# Altium PCB LAN_Controller20211202.PcbDoc
Units mil, origin at the board's own origin, x right, y up, seen from the top; angles counter-clockwise.
Board outline 2874.02 x 1200.79 mil, 2 copper layers (Top Layer, Bottom Layer); 21 components, 21 nets, 101 pads, 43 vias.
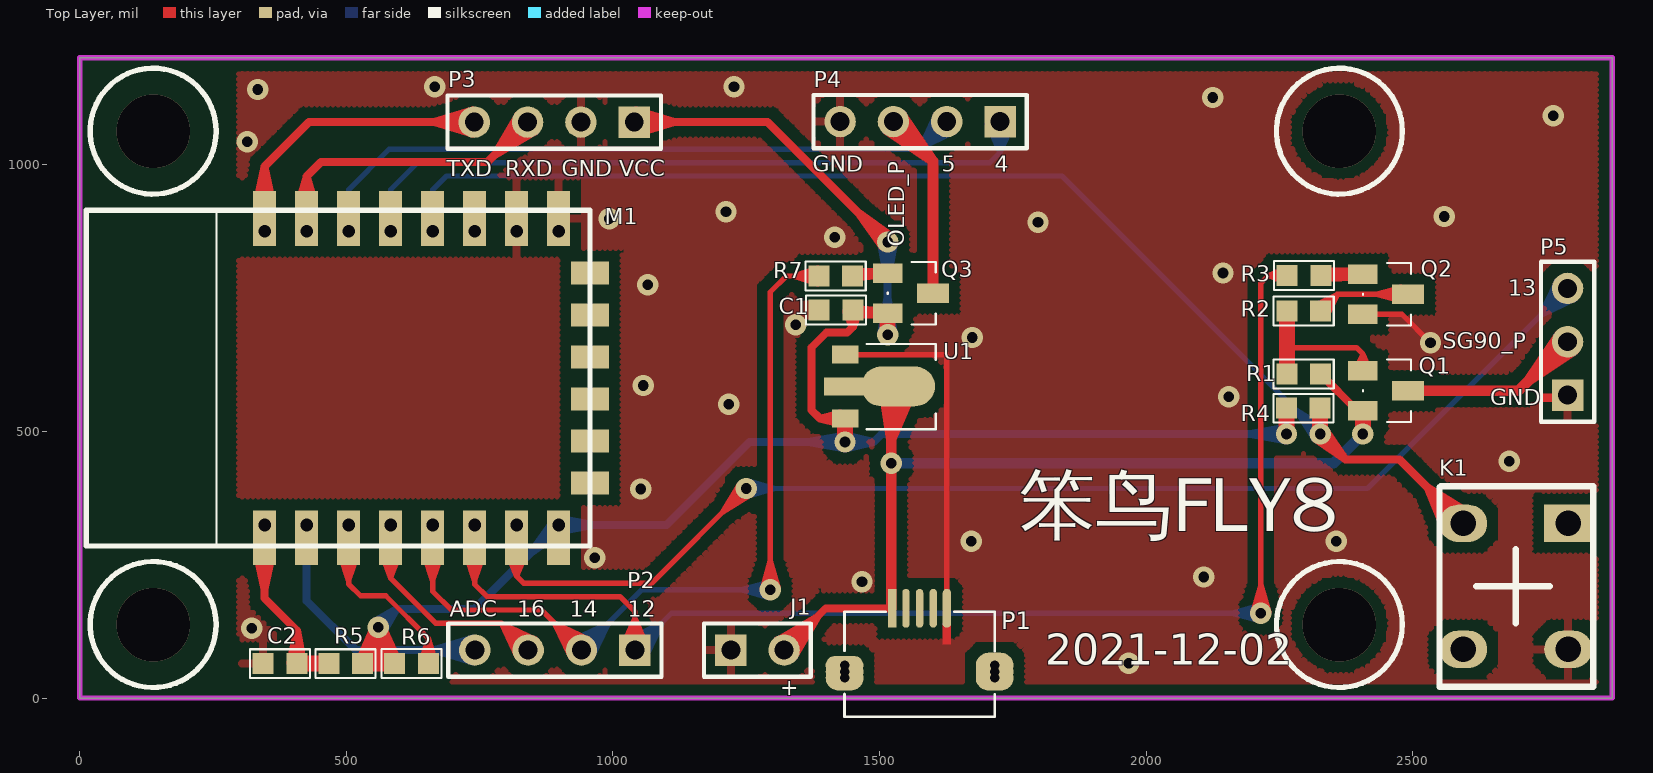
[diagram p0: Top Layer view]
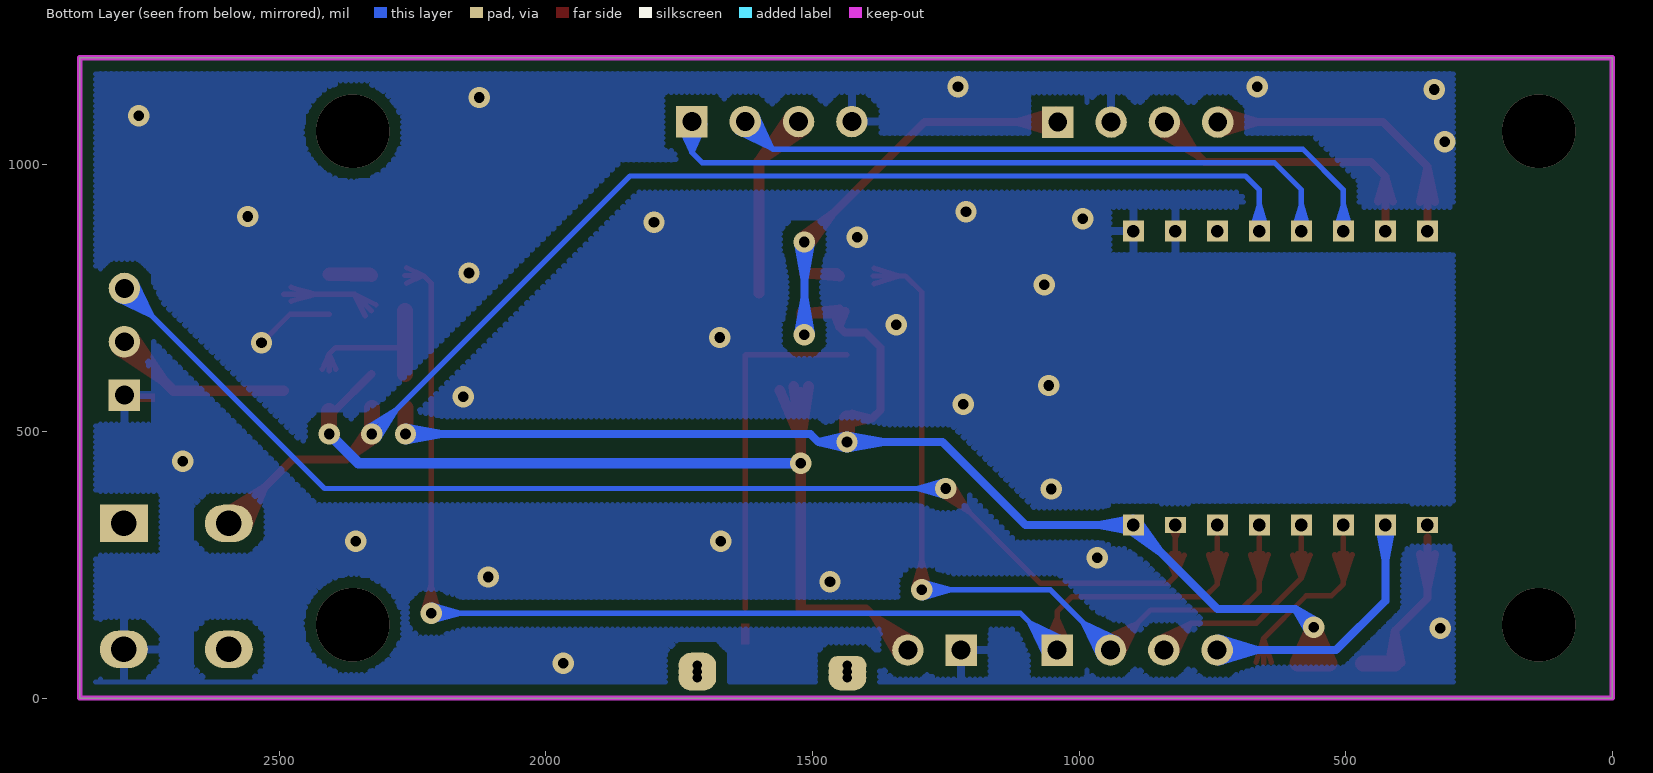
[diagram p1: Bottom Layer view, seen from below]

## Layer stack, top to bottom
Top Layer: signal copper 1.4
Dielectric: dielectric 12.6, FR-4, Dk 4.8
Bottom Layer: signal copper 1.4

## Board outline
0,0 2874.02,0 2874.02,1200.79 0,1200.79

## Design rules (kind name [scope] priority, off if disabled: settings)
Clearance Clearance_1 [InPolygon] p1: gap=20
Clearance [All] p2: gap=10
PolygonConnect [IsVia] p1: connectstyle=Direct reliefconductorwidth=15 reliefentries=4 polygonreliefangle="90 Angle"
PolygonConnect PolygonConnect_1 [All] p2: connectstyle=Relief reliefconductorwidth=15 reliefentries=4 polygonreliefangle="90 Angle"
RoutingVias [All] p1: holewidth=20 width=40 viastyle="Through Hole" minholewidth=20 minwidth=40 maxholewidth=30 maxwidth=60
SilkToSilkClearance [All] p1: silktosilkclearance=1
SilkscreenOverComponentPads [All] p1: minsilkscreentomaskgap=0
SolderMaskExpansion [All] p1: expansion=4
TestPointUsage [All] p1: valid=0 allowmultiple=FALSE
Testpoint [All] p1: side=15 testpointundercomponent=TRUE minsize=40 maxsize=100 preferedsize=60 minholesize=0 maxholesize=40 preferedholesize=32 testpointgrid=1 style=1023 order=0-112345678
Width [All] p1: maxlimit=50 minlimit=10 preferedwidth=10
22 further rules are at their usual default settings.

## Components (designator, comment, footprint, x,y, rotation, side; value= is the part's Value field where it differs from the comment)
C1 "100nF" 0603-3 1387,728 r90 top
C2 "100nF" 0603-3 407,64 r270 top
J1 "CON2" HDR1X2 1221,90 r0 top
K1 "" DIP4-KEY 2552,397 r270 top (schematic designator k1)
M1 "ESP-12E/F" "ESP-12E&F Module" 652,600 r90 top
P1 "Header 5" MICRO-5P-1.3 1434,50 r90 top
P2 "OLED" HDR1X4 1041,90 r180 top
P3 "UART" HDR1X4 1040,1080 r180 top
P4 "OLED" HDR1X4 1726,1081 r180 top
P5 "SG90" HDR1X3 2790,568 r90 top
Q1 "8550" SOT-PNP 2407,616 r270 top
Q2 "8050" Q-SOT23 2437,757 r270 top
Q3 "8550" SOT-PNP 1516,799 r270 top
R1 "100K" 0603-3 2264,608 r90 top
R2 "1K" 0603-3 2264,726 r90 top
R3 "1K" 0603-3 2327,792 r270 top
R4 "10K" 0603-3 2326,543 r270 top
R5 "10K" 0603-3 530,64 r270 top
R6 "10K" 0603-3 591,65 r90 top
R7 "1K" 0603-3 1449,791 r270 top
U1 "A6501-33" SOT-89.1 1435,643 r270 top

## Footprints (in the part's own frame and the unit in brackets; to place one, negate y for a bottom-side part, rotate by r counter-clockwise, add the part's x,y. Pads: shape width x height; smd on the part's side, far side on the other; paste and mask are expansions set on the pad)
0603-3 [mm]
  rect 1x1 smd: 1(-0.01,0.007) 2(-0.01,-1.596)
  silkscreen extent -0.7,-2.23 0.68,0.64
DIP4-KEY [mil]
  rect 70x90 hole 47.24: 1(69.38,239.28)
  oval 70x90 hole 47.24: 2(69.38,42.42) 3(305.6,42.42) 4(305.6,239.28)
  silkscreen extent 0,-2 376,286
"ESP-12E&F Module" [mm]
  rect 2.6x1.1 smd: 1(-7.6,7.75) 2(-7.6,5.75) 3(-7.6,3.75) 4(-7.6,1.75) 5(-7.6,-0.25) 6(-7.6,-2.25) 7(-7.6,-4.25) 8(-7.6,-6.25) 15(7.6,-6.25) 16(7.6,-4.25) 17(7.6,-2.25) 18(7.6,-0.25) 19(7.6,1.75) 20(7.6,3.75) 21(7.6,5.75) 22(7.6,7.75)
  rect 0.762x1 hole 0.6: 1(-7,7.75) 7(-7,-4.25)
  rect 0.762x1 / inner rect 0.762x1 / far side rect 1x1 hole 0.6: 2(-7,5.75) 3(-7,3.75) 4(-7,1.75) 5(-7,-0.25) 6(-7,-2.25) 8(-7,-6.25) 15(7,-6.25) 16(7,-4.25) 17(7,-2.25) 18(7,-0.25) 19(7,1.75) 20(7,3.75) 21(7,5.75) 22(7,7.75)
  rect 1.1x1.8 smd: 9(-5,-7.75) 10(-3,-7.75) 11(-1,-7.75) 12(1,-7.75) 13(3,-7.75) 14(5,-7.75)
  silkscreen extent -8,-7.75 8,16.25
HDR1X2 [mm] "Connector; Header; 2 Position"
  rect 1.5x1.5 hole 0.9: 1(0,0)
  round 1.5 hole 0.9: 2(2.54,0)
  silkscreen extent -1.27,-1.27 3.81,1.27
HDR1X3 [mm] "Connector; Header; 3 Position"
  rect 1.5x1.5 hole 0.9: 1(0,0)
  round 1.5 hole 0.9: 2(2.54,0) 3(5.08,0)
  silkscreen extent -1.27,-1.27 6.35,1.27
HDR1X4 [mm] "Connector; Header; 4 Position"
  rect 1.5x1.5 hole 0.9: 1(0,0)
  round 1.5 hole 0.9: 2(2.54,0) 3(5.08,0) 4(7.62,0)
  silkscreen extent -1.27,-1.27 8.89,1.27
MICRO-5P-1.3 [mm]
  oval 1.2x1.8 hole 0.45: 0(-0.313,-7.157) 0(-0.313,-0.007) 0(-0.013,-0.007) 0(-0.013,-7.157) 0(0.287,-7.157)
  oval 0.889x1.8 hole 0.45: 0(0.287,-0.007)
  rect 1.85x0.4 smd: 1(3.002,-2.282)
  oval 1.85x0.35 smd: 2(3.002,-2.932) 3(3.002,-3.582) 4(3.002,-4.232)
  oval 1.85x0.4 smd: 5(3.002,-4.882)
  silkscreen extent -2.16,-7.16 2.84,-0.01
Q-SOT23 [mil]
  rect 36x55 smd: 1(-37.63,-30.75) 2(37.37,-30.75)
  rect 36x60 smd: 3(-0.13,54.25)
  silkscreen extent -59,-31 58,59
SOT-89.1 [mil]
  rect 34x50 smd: 1(-0.87,0.35) 3(119.13,0.35)
  oval 75x137.8 smd: 2(58.68,99.87)
  rect 34x80 smd: 2(59.13,0.35)
  silkscreen extent -21,40 139,170
SOT-PNP [mil]
  rect 36x55 smd: 1(2.37,-0.75) 2(77.37,-0.75)
  rect 36x60 smd: 3(39.87,84.25)
  silkscreen extent -19,-1 98,89

## Part data
C1 C2: library part CAP, "Capacitor"
J1: "Connector"
K1: library part SW-PB
M1: library part "ESP-12E&F Module", "ESP-12E&F Module"
P2 P3 P4: library part "Header 4", "Header, 4-Pin"
P5: library part "Header 3", "Header, 3-Pin"
Q1 Q3: library part PNP, "PNP Transistor"
Q2: library part MMBTSB1781R
R1 R2 R3 R4 R5 R6 R7: library part RES2
U1: library part VOLTREG

## Via types
v1: diameter 40, hole 20, Top Layer to Bottom Layer, 25 vias
v2: diameter 40, hole 20, Top Layer to Bottom Layer, tented both sides, 14 vias
v3: diameter 137.8, hole 137.8, Top Layer to Bottom Layer, tented both sides, 4 vias

## Nets (pads, with @x,y where several pads share a name; then routed paths per layer and width w, separated by ;. In a path a pad name is that pad's centre, name@x,y a point inside that pad or via, vN(x,y) a via of type N, cw(c..) or ccw(c..) an arc to the next point about the centre after c; other vN are vias at no path point)
5V: J1.2 P1.1 Q1.2 R1.2 U1.2 | length 2423.2
  Top Layer w10: P1.1@1521.84,168.2 P1.1
  Top Layer w15: J1.2@1307.53,107.43 1382.35,151.35 J1.2@1338.43,76.53 ; J1.2 1399.2,168.2 P1.1@1521.84,168.2 ; 1470.97,168.2 P1.1 ; R1.2 Q1.2@2395.79,538.63
  Top Layer w20: U1.2@1507.37,584.12 1521.84,485.12 ; P1.1@1521.84,168.2 v2(1521.84,440) U1.2@1521.84,573.3 ; U1.2@1534.87,584.32 1521.84,485.12 ; U1.2@1561.38,577.03 1521.84,485.12
  Top Layer w30: Q1.2 v2(2406,495) Q1.2 ; Q1.2 2406.25,495.25 Q1.2
  Bottom Layer w20: v2(1521.84,440) 2351,440 ; 2351,440 v2(2406,495) 2351,440
ADC: M1.2 P2.4 | length 774.1
  Bottom Layer w15: M1.2@413.49,323.26 425.62,259.72 M1.2@437.75,323.26 ; M1.2@425.62,324.41 425.62,182.38 518,90 P2.4 ; P2.4@737.74,68.21 666.47,90 P2.4@737.74,111.79
EN: M1.3 R6.2 | length 678.6
  Top Layer w10: M1.3@487.93,268.57 504.36,219.61 ; M1.3@497.72,270.83 504.36,219.61 ; M1.3@504.36,271.26 504.36,219.61 ; M1.3@504.36,300.79 504.36,214.06 526.71,191.71 574,191.71 653.82,111.9 ; M1.3@511,270.83 504.36,219.61 ; M1.3@520.8,268.57 504.36,219.61 ; R6.2@639.31,66.89 653.82,111.9 ; R6.2 653.82,111.9 ; R6.2@668.33,66.89 653.82,111.9
GND: C1.1 C2.2 J1.1 K1.4 M1.15 M1.16 P1.5 P3.2 P4.4 P5.1 Q2.2 U1.1 | length 814.9
  Top Layer w10: U1.1 1625.13,643.87 1626.21,642.79 P1.5 ; Q2.2 2479.37,719.63 v1(2533,666)
  other v1: 1967,65 2108,227 1672,294 2356,294 1052,392 2681,444 1217,551 2155,565 1057,586 1674,676 1343,700 1065,775 2144,797 1416,864 1797,892 993,899 2559,903 1212,912 314,1043 2763,1092 2125,1126 334,1141 666,1146 1227,1146
  other v2: 323,131 1467,218 966,263
GPIO16: M1.4 P2.3 | length 904.3
  Top Layer w10: M1.4@566.72,268.27 583.1,224.9 ; M1.4@576.47,270.78 583.1,224.9 ; M1.4@583.1,271.26 583.1,224.9 ; M1.4@583.1,300.79 583.1,224.9 ; M1.4@589.74,270.78 583.1,224.9 ; M1.4@599.48,268.27 583.1,224.9 ; P2.3@820.91,75.93 791,140 ; P2.3@829.73,80.84 791,140 ; P2.3 791,140 ; P2.3@850.16,101.27 791,140 ; P2.3@855.07,110.09 791,140 ; 583.1,224.9 668,140 791,140
KEY: K1.2 M1.18 R4.1 | length 3349
  Top Layer w15: v2@2318.01,485.38 2374,447 ; v2(2326,495) 2374,447 ; v2@2335.62,502.99 2374,447 ; K1.2@2560.94,313.31 2527.6,394.44 ; K1.2@2574.35,320.22 2527.6,394.44 ; K1.2@2584.42,327.62 2527.6,394.44 ; K1.2@2593.35,336.38 2527.6,394.44 ; K1.2 2475.05,447 2374,447 ; K1.2@2602.32,348.5 2527.6,394.44
  Top Layer w30: R4.1 v2(2326,495) R4.1 ; R4.1 2326.27,495.27 R4.1
  Bottom Layer w10: M1.18@647.32,877.76 661.84,925.28 M1.18@676.37,877.76 ; M1.18@661.84,875.59 661.84,952.84 688,979 1842,979 v2(2326,495) 2280.79,540.21 ; v2@2314.22,485.71 2280.79,540.21 ; v2@2335.29,506.78 2280.79,540.21
NetQ1_1: Q1.1 R1.1 R2.1 | length 358.9
  Top Layer w10: 2263.73,657 2394,657 2406.25,644.75 ; Q1.1@2393.53,616.35 2406.25,644.75 ; Q1.1 2406.25,644.75 ; Q1.1@2418.96,616.35 2406.25,644.75
  Top Layer w30: R1.1 R2.1
NetQ2_1: Q2.1 R3.1 | length 292.5
  Top Layer w25: R3.1 2396.75,794.63 2329.5,794.63 Q2.1 R3.1
NetQ2_3: Q2.3 R2.2 | length 410.7
  Top Layer w10: R2.2@2318.29,737.56 2358.35,757.13 ; R2.2 2358.35,757.13 ; R2.2@2338.77,717.07 2358.35,757.13 ; Q2.3@2477.49,744.25 2431.25,757.13 ; Q2.3@2477.49,770.01 2431.25,757.13 ; Q2.3@2479.25,757.13 2431.25,757.13 ; Q2.3 2358.35,757.13
NetQ3_1: Q3.1 R7.1 | length 234.9
  Top Layer w20: R7.1 Q3.1 1454.5,796.63 1505.75,796.63 R7.1
OLED_CTL: M1.5 P2.2 R7.2 | length 3076.9
  Top Layer w10: M1.5@645.41,268.57 661.84,219.61 ; M1.5@655.2,270.83 661.84,219.61 ; M1.5@661.84,271.26 661.84,219.61 ; M1.5@661.84,300.79 661.84,200.16 697,165 866,165 P2.2 ; M1.5@668.48,270.83 661.84,219.61 ; M1.5@678.28,268.57 661.84,219.61 ; P2.2@920.95,75.88 890.26,140.74 ; P2.2@929.74,80.82 890.26,140.74 ; P2.2@950.18,101.26 890.26,140.74 ; P2.2@955.12,110.05 890.26,140.74 ; v2@1280.15,205.08 1295,257 v2@1309.85,205.08 ; v2(1295,203) 1295,761 1325.39,791.39 R7.2 ; R7.2@1384.01,776.87 1336.5,791.39 R7.2@1384.01,805.92
  Bottom Layer w10: 1050,199 P2.2 1054,203 v2(1295,203) ; v2@1292.92,188.15 1241,203 v2@1292.92,217.85 ; 991.74,140.74 952.26,80.82 991.74,140.74 ; 991.74,140.74 931.82,101.26 991.74,140.74 ; 991.74,140.74 961.05,75.88 991.74,140.74 ; 991.74,140.74 926.88,110.05 991.74,140.74
OLED_POWER: P4.3 Q3.3 | length 556.1
  Top Layer w20: P4.3@1513.58,1065.93 1597.95,1009.05 P4.3@1541.07,1093.42 ; P4.3 1600.25,1006.75 Q3.3
OLED_SCL: M1.20 P4.2 | length 1638.5
  Bottom Layer w10: M1.20@489.84,877.76 504.36,925.28 M1.20@518.89,877.76 ; M1.20@504.36,875.59 504.36,953 580.36,1029 1574,1029 P4.2 ; P4.2@1605.95,1095.12 1575.26,1030.26 ; P4.2@1614.74,1090.18 1575.26,1030.26 ; P4.2@1635.18,1069.74 1575.26,1030.26 ; P4.2@1640.12,1060.95 1575.26,1030.26
OLED_SDA: M1.19 P4.1 | length 1638.7
  Bottom Layer w10: M1.19@568.58,877.76 583.1,925.28 M1.19@597.63,877.76 ; M1.19@583.1,875.59 583.1,953.1 634,1004 1707,1004 1726,1023 ; P4.1@1702.03,1075.81 1726,1023 ; P4.1@1711.59,1079.18 1726,1023 ; P4.1 1726,1023 ; P4.1@1740.41,1079.18 1726,1023 ; P4.1@1749.97,1075.81 1726,1023
RST: C2.1 M1.1 R5.2 | length 646
  Top Layer w15: M1.1@332.81,269.76 346.88,204.61 ; M1.1@346.88,271.26 346.88,204.61 ; M1.1@346.88,300.79 346.88,187.12 407.27,126.73 ; M1.1@360.95,269.76 346.88,204.61 ; C2.1@395.14,65.59 407.27,126.73 ; C2.1 407.27,126.73 ; C2.1@419.39,65.59 407.27,126.73
  Top Layer w30: C2.1 R5.2
RXD: M1.21 P3.3 | length 943.5
  Top Layer w15: M1.21@411.61,930.77 425.62,978 ; M1.21@425.62,899.21 425.62,978 ; M1.21@425.62,928.74 425.62,978 ; M1.21@439.63,930.77 425.62,978 ; P3.3@822.57,1093.47 778.65,1018.65 ; P3.3@853.47,1062.57 778.65,1018.65 ; 425.62,978 452.62,1005 765,1005 P3.3 778.65,1018.65
SG90_CTL: M1.6 P2.1 R3.2 | length 3426.8
  Top Layer w10: M1.6@724.15,268.57 740.58,219.61 ; M1.6@733.94,270.83 740.58,219.61 ; M1.6@740.58,271.26 740.58,219.61 ; M1.6@740.58,300.79 740.58,213.42 764,190 1013,190 1041,162 P2.1 ; M1.6@747.22,270.83 740.58,219.61 ; M1.6@757.02,268.57 740.58,219.61 ; P2.1@1017,95.05 1041,149.53 ; P2.1@1026.58,91.77 1041,149.53 ; P2.1@1055.42,91.77 1041,149.53 ; P2.1@1065,95.05 1041,149.53 ; v2@2200.15,161.08 2215,213 v2@2229.85,161.08 ; v2(2215,159) 2215,778 2229.4,792.39 ; R3.2@2261.08,778.04 2229.4,792.39 ; R3.2@2261.08,806.75 2229.4,792.39 ; R3.2 2229.4,792.39
  Bottom Layer w10: P2.1@1026.88,110.05 1091.74,140.74 ; P2.1@1031.82,101.26 1091.74,140.74 ; P2.1 1110,159 v2(2215,159) ; P2.1@1052.26,80.82 1091.74,140.74 ; P2.1@1061.05,75.88 1091.74,140.74 ; v2@2212.92,144.15 2161,159 v2@2212.92,173.85
SG90_POWER: P5.2 Q1.3 | length 720.1
  Top Layer w20: Q1.3 2698.13,576.13 P5.2 2718.05,596.05 ; Q1.3@2503.25,576.13 2581.25,576.13 ; P5.2@2774.93,680.42 2718.05,596.05 ; P5.2@2802.42,652.93 2718.05,596.05
SG90_PWM: M1.7 P5.3 | length 3084.2
  Top Layer w10: M1.7@802.99,268 819.32,228.68 ; M1.7@809.55,322.29 M1.7@819.32,300.79 ; M1.7@812.69,270.74 819.32,228.68 ; M1.7@819.32,271.26 819.32,228.68 ; M1.7@819.32,324.41 M1.7@819.32,300.79 ; M1.7@825.96,270.74 819.32,228.68 ; M1.7@829.1,322.29 M1.7@819.32,300.79 ; M1.7@835.65,268 819.32,228.68 ; v2@1238.22,402.29 1204.79,347.79 v2@1259.29,381.22 ; v2(1250,393) 1072,215 833,215 819.32,228.68 ; 819.32,228.68 M1.7@819.32,300.79
  Bottom Layer w10: v2(1250,393) 2415,393 P5.3 ; v2@1252.08,378.15 1304,393 v2@1252.08,407.85 ; P5.3@2769.95,782.12 2739.26,717.26 ; P5.3@2778.74,777.18 2739.26,717.26 ; P5.3@2799.18,756.74 2739.26,717.26 ; P5.3@2804.12,747.95 2739.26,717.26
TXD: M1.22 P3.4 | length 972.4
  Top Layer w10: M1.22@346.88,875.59 M1.22@346.88,899.21
  Top Layer w15: M1.22@332.81,930.24 346.88,995.39 ; M1.22@346.88,899.21 346.88,996.88 430,1080 P3.4 665.47,1080 ; M1.22@346.88,928.74 346.88,995.39 ; M1.22@360.96,930.24 346.88,995.39 ; P3.4@736.74,1058.21 665.47,1080 ; P3.4@736.74,1101.79 665.47,1080
VCC: C1.2 M1.8 P3.1 Q3.2 R4.2 R5.1 R6.1 U1.3 | length 5706.1
  Top Layer w10: Q3.2@1509.27,727.61 Q3.2
  Top Layer w15: P3.1 1290,1080 v2(1515,855) ; P3.1@1043.26,1058.21 1114.53,1080 P3.1@1043.26,1101.79 ; U1.3@1426.2,514.44 1388,523.87 ; U1.3@1426.2,533.3 1388,523.87 ; U1.3@1427.35,523.87 1388,523.87 ; U1.3 1388,523.87 ; C1.2@1437.86,725.27 1449.82,695.82 ; C1.2 1449.82,695.82 ; C1.2@1461.78,725.27 1449.82,695.82 ; v2@1505.49,846.89 1459.18,910.82 v2@1523.11,864.51 ; 1388,523.87 1372,539.87 1372,657 1400,685 1439,685 1449.82,695.82
  Top Layer w20: C1.2 1505.75,721.63 1455.79,721.63 Q3.2 C1.2
  Top Layer w30: R5.1@530.48,64.61 R6.1 ; U1.3@1435,523.52 v2(1435,480) U1.3 ; Q3.2@1515,721.39 v2(1515,681) Q3.2 ; v2(2263,495) R4.2 v2@2263.18,495.18 ; R5.1 v2(560,133) ; R5.1 R6.1 ; R5.1 R6.1 ; R5.1 560,65.61 ; R5.1 v2(560,133) ; 560,65.61 v2(560,133) ; 560,65.61 R6.1 ; 560,65.61 R6.1 ; 560,65.61 v2(560,133) ; v2(560,133) R6.1
  Bottom Layer w15: v2@552.39,142.91 594,167 ; v2(560,133) 594,167 ; v2@569.91,125.39 594,167 ; M1.8@888.76,332.27 846.56,272.9 ; M1.8@899.21,312.28 962.75,324.41 M1.8@899.21,336.54 ; M1.8@905.93,315.1 846.56,272.9 ; v2@1433.87,467.55 1366,480 v2@1433.87,492.45 ; v2@1436.45,467.58 1489,480 ; v2@1436.45,492.42 1489,480 ; v2@1502.55,682.13 1515,750 v2@1527.45,682.13 ; v2@1502.55,853.87 1515,786 v2@1527.45,853.87 ; v2(1515,681) v2(1515,855) ; v2@2261.87,482.55 2194,495 ; v2@2261.87,507.45 2194,495 ; 594,167 740.65,167 M1.8@898.06,324.41 ; 846.56,272.9 M1.8@898.06,324.41 ; M1.8@898.06,324.41 1100.41,324.41 1256,480 v2(1435,480) 1489,480 ; 1489,480 1504,495 v2(2263,495) 2194,495
pads on no net: K1.1 K1.3 M1.9 M1.10 M1.11 M1.12 M1.13 M1.14 M1.17 P1.0 P1.2 P1.3 P1.4
copper on no net:
  other v3: 137.8,137.8 2362.2,137.8 137.8,1062.99 2362.2,1062.99

## Polygon pours and split planes (outlines as drawn)
GND on Top Layer "Bottom Layer-No Net" (hatched 90Degree grid 10 track 10, remove dead copper, pour order 1000): 267,1200.79 268,1199.79 268,9 2874.02,9 2874.02,1200.79 270,1200.79
GND on Bottom Layer "Bottom Layer-No Net" (hatched 90Degree grid 10 track 10, remove dead copper, pour order 1001): 265,1200.79 274,1191.79 274,0 2868.02,0 2874.02,6 2874.02,1200.79 273.79,1200.79 268,1195

## Keep-outs
Keep-Out Layer:
  the board outline again, w10

## Other copper
Top Layer:
  rectangle net GND: 1618,100 1634,140
  rectangle net GND: 2733,555 2789,571
  pour cut-out: 775,990 775,959 463,959 455,967 455,986 771,986
Bottom Layer:
  pour cut-out: 2435,482 2404,451 2390,451 2390,444 2365,419 2375,409 2409,409 2477,482

## Silkscreen, mask and mechanical layers (free items; w line width, h text height)
Top Overlay:
  circle w10: c137.8,137.8 r118.11
  circle w10: c137.8,1062.99 r118.11
  circle w10: c2362.2,1062.99 r118.11
  circle w10: c2362.2,137.8 r118.11
  text "GND" at 1375,987 h30
  text "5" at 1617,987 h30
  text "4" at 1716,987 h30
  text "TXD" at 688,978 h30
  text "RXD" at 798,978 h30
  text "GND" at 904,978 h30
  text "VCC" at 1012,978 h30
  text "OLED_P" at 1546,846 h30 r90
  text "13" at 2679,754 h30
  text "SG90_P" at 2556,655 h30
  text "GND" at 2645,549 h30
  text "笨鸟FLY8" at 1761,278 h180
  text "ADC" at 694,152 h30
  text "16" at 821,152 h30
  text "14" at 919,152 h30
  text "12" at 1028,152 h30
  text "2021-12-02" at 1811,43 h100
  text "+" at 1314,5 h30